# KiCad board project.kicad_pcb
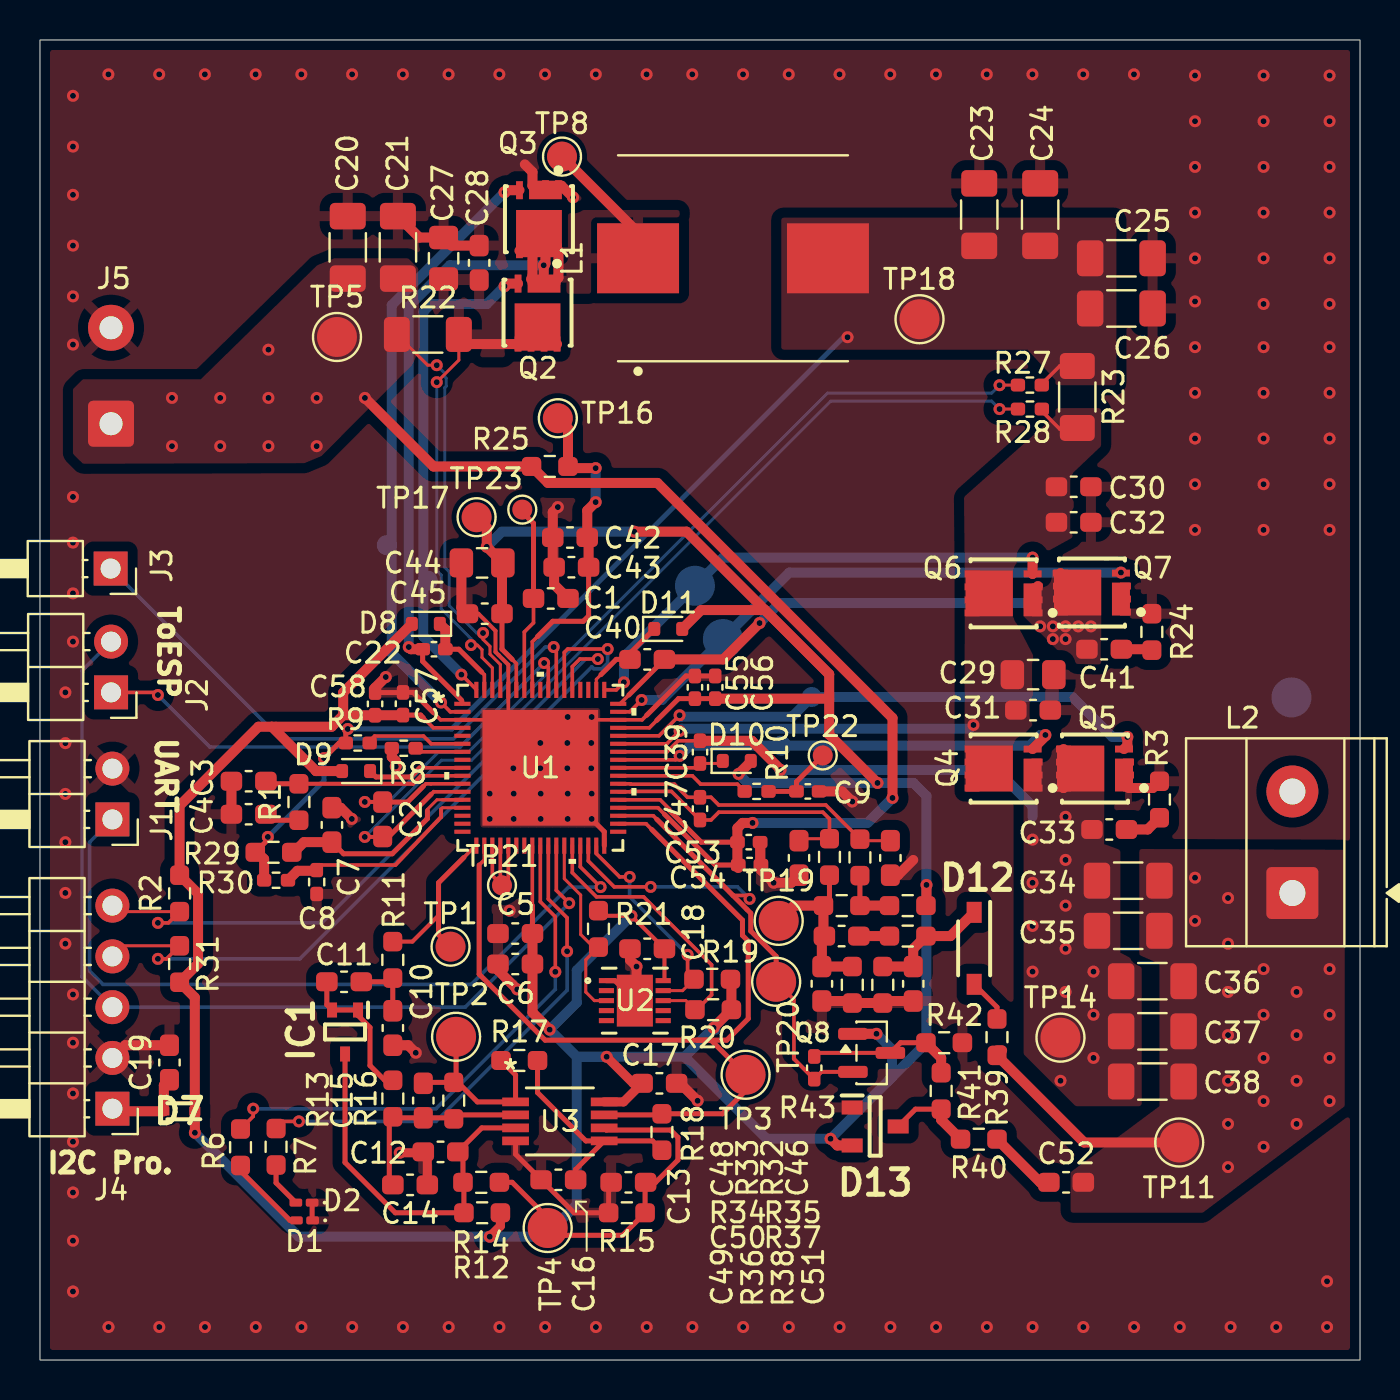
[diagram p0: board, top side]
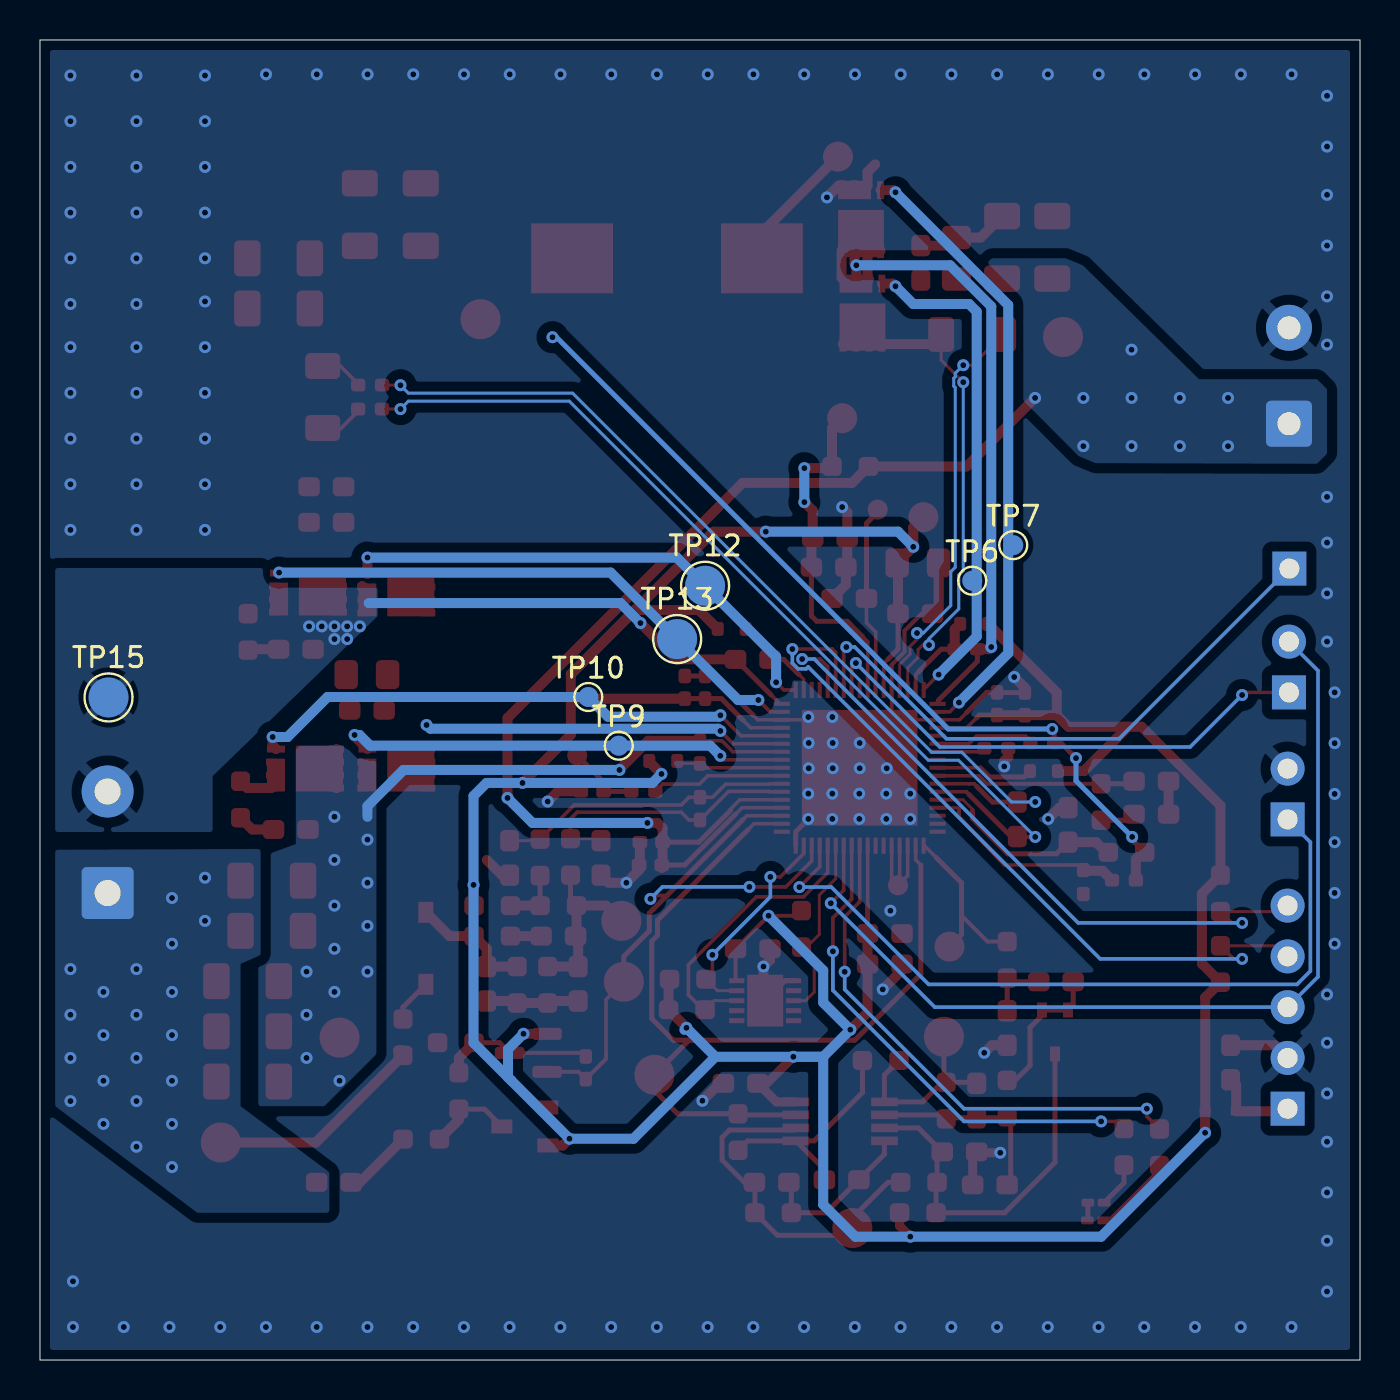
[diagram p1: board, bottom side, seen from below]

Outline 66.04 x 66.04 mm; copper layers: Top, Bottom. Coordinates in mm from the lower left corner of the outline.
Outline path: rectangle 0,66.04 66.04,0
Stack: Top 0.035mm / dielectric 1.51mm FR4 er 4.5 / Bottom 0.035mm

## Placement (name value [footprint] x y rotation side)
C1  0.1u  [C_0603_1608Metric_Pad1.08x0.95mm_HandSolder]  25.55 38.1 0 top
C2  2.2u  [C_0603_1608Metric_Pad1.08x0.95mm_HandSolder]  17.14 27.05 270 top
C3  1n  [C_0603_1608Metric_Pad1.08x0.95mm_HandSolder]  10.44 28.96 0 top
C4  0.47u  [C_0603_1608Metric_Pad1.08x0.95mm_HandSolder]  10.44 27.31 0 top
C5  0.1u  [C_0603_1608Metric_Pad1.08x0.95mm_HandSolder]  23.78 21.34 0 top
C6  1u  [C_0603_1608Metric_Pad1.08x0.95mm_HandSolder]  23.78 19.81 0 top
C7  0.1u  [C_0603_1608Metric_Pad1.08x0.95mm_HandSolder]  14.6 26.77 270 top
C8  0.1u  [R_0402_1005Metric_Pad0.72x0.64mm_HandSolder]  13.84 23.91 90 top
C9  10p  [C_0402_1005Metric_Pad0.74x0.62mm_HandSolder]  38.41 28.45 0 top  (not fitted)
C10  22nf  [C_0603_1608Metric_Pad1.08x0.95mm_HandSolder]  17.65 16.61 270 top
C11  0.22uf  [C_0603_1608Metric_Pad1.08x0.95mm_HandSolder]  15.21 18.92 180 top
C12  22n  [C_0603_1608Metric_Pad1.08x0.95mm_HandSolder]  20.04 10.41 180 top
C13  0.1u  [C_0603_1608Metric_Pad1.08x0.95mm_HandSolder]  29.44 8.89 180 top
C14  330p  [C_0603_1608Metric_Pad1.08x0.95mm_HandSolder]  18.52 8.76 180 top  (not fitted)
C15  150p  [C_0603_1608Metric_Pad1.08x0.95mm_HandSolder]  19.18 12.98 90 top
C16  10n  [C_0603_1608Metric_Pad1.08x0.95mm_HandSolder]  25.93 9.02 0 top  (not fitted)
C17  0.1u  [C_0603_1608Metric_Pad1.08x0.95mm_HandSolder]  30.99 13.84 0 top
C18  1u  [C_0603_1608Metric_Pad1.08x0.95mm_HandSolder]  30.38 20.57 0 top
C19  0.1u  [C_0603_1608Metric_Pad1.08x0.95mm_HandSolder]  6.48 14.89 90 top
C20  22u  [C_1206_3216Metric_Pad1.33x1.80mm_HandSolder]  15.4 55.66 90 top
C21  22u  [C_1206_3216Metric_Pad1.33x1.80mm_HandSolder]  17.91 55.66 90 top
C22  0.1u  [C_0402_1005Metric_Pad0.74x0.62mm_HandSolder]  19.71 35.56 0 top
C23  22u  [C_1206_3216Metric_Pad1.33x1.80mm_HandSolder]  46.99 57.3 90 top
C24  22u  [C_1206_3216Metric_Pad1.33x1.80mm_HandSolder]  50.04 57.3 90 top
C25  22u  [C_1206_3216Metric_Pad1.33x1.80mm_HandSolder]  54.1 55.12 0 top
C26  22u  [C_1206_3216Metric_Pad1.33x1.80mm_HandSolder]  54.1 52.61 0 top
C27  4.7u  [C_0805_2012Metric_Pad1.18x1.45mm_HandSolder]  20.19 55.12 90 top
C28  10n  [C_0603_1608Metric_Pad1.08x0.95mm_HandSolder]  21.97 54.89 90 top
C29  22u  [C_0805_2012Metric_Pad1.18x1.45mm_HandSolder]  49.68 34.29 0 top
C30  22u  [C_0603_1608Metric_Pad1.08x0.95mm_HandSolder]  51.72 43.69 0 top
C31  0.1u  [C_0603_1608Metric_Pad1.08x0.95mm_HandSolder]  49.68 32.51 0 top
C32  0.1u  [C_0603_1608Metric_Pad1.08x0.95mm_HandSolder]  51.72 41.91 0 top
C33  10n  [C_0603_1608Metric_Pad1.08x0.95mm_HandSolder]  53.49 26.54 0 top
C34  0.1u  [C_1206_3216Metric_Pad1.33x1.80mm_HandSolder]  54.44 23.98 0 top
C35  0.1u  [C_1206_3216Metric_Pad1.33x1.80mm_HandSolder]  54.44 21.47 0 top
C36  0.1u  [C_1206_3216Metric_Pad1.33x1.80mm_HandSolder]  55.65 18.95 0 top
C37  0.1u  [C_1206_3216Metric_Pad1.33x1.80mm_HandSolder]  55.65 16.44 0 top
C38  0.1u  [C_1206_3216Metric_Pad1.33x1.80mm_HandSolder]  55.65 13.93 0 top
C39  0.1u  [C_0402_1005Metric_Pad0.74x0.62mm_HandSolder]  33.02 30.41 90 top
C40  0.1u  [C_0603_1608Metric_Pad1.08x0.95mm_HandSolder]  30.38 35.05 0 top
C41  10n  [C_0603_1608Metric_Pad1.08x0.95mm_HandSolder]  53.24 35.56 0 top
C42  1u  [C_0603_1608Metric_Pad1.08x0.95mm_HandSolder]  26.52 41.15 0 top
C43  0.1u  [C_0603_1608Metric_Pad1.08x0.95mm_HandSolder]  26.58 39.66 0 top
C44  1u  [C_0805_2012Metric_Pad1.18x1.45mm_HandSolder]  22.12 39.88 0 top
C45  0.1u  [C_0603_1608Metric_Pad1.08x0.95mm_HandSolder]  22.25 37.34 0 top
C46  10n  [C_0603_1608Metric_Pad1.08x0.95mm_HandSolder]  42.54 25.12 270 top
C47  470n  [C_0402_1005Metric_Pad0.74x0.62mm_HandSolder]  33.02 27.59 90 top
C48  10n  [C_0603_1608Metric_Pad1.08x0.95mm_HandSolder]  37.97 25.12 270 top
C49  0.1u  [C_0603_1608Metric_Pad1.08x0.95mm_HandSolder]  39.12 18.82 90 top  (not fitted)
C50  100n  [C_0603_1608Metric_Pad1.08x0.95mm_HandSolder]  40.11 21.21 180 top
C51  5.6n  [C_0603_1608Metric_Pad1.08x0.95mm_HandSolder]  43.69 18.82 90 top
C52  1n  [C_0603_1608Metric_Pad1.08x0.95mm_HandSolder]  51.33 8.89 0 top
C53  0.1u  [C_0402_1005Metric_Pad0.74x0.62mm_HandSolder]  35.46 25.91 0 top
C54  0.1u  [C_0402_1005Metric_Pad0.74x0.62mm_HandSolder]  35.5 24.77 0 top
C55  0.1u  [C_0402_1005Metric_Pad0.74x0.62mm_HandSolder]  32.77 33.66 270 top
C56  1u  [C_0402_1005Metric_Pad0.74x0.62mm_HandSolder]  33.78 33.66 270 top
C57  0.1u  [C_0402_1005Metric_Pad0.74x0.62mm_HandSolder]  18.16 32.83 270 top
C58  1u  [C_0402_1005Metric_Pad0.74x0.62mm_HandSolder]  16.76 32.83 270 top
D1  LED  [LED_0201_0603Metric_Pad0.64x0.40mm_HandSolder]  13.23 6.98 180 top
D2  LED  [LED_0201_0603Metric_Pad0.64x0.40mm_HandSolder]  13.21 7.87 180 top
D7  BAT64T5Q-7-F  [SODFL1608X65N]  6.97 12.45 180 top
D8  RB511SM-40FHT2R  [D_SOD-523]  19.3 36.83 180 top
D9  RB511SM-40FHT2R  [D_SOD-523]  15.81 29.46 180 top
D10  RB511SM-40FHT2R  [D_SOD-523]  34.86 29.97 0 top
D11  RB511SM-40FHT2R  [D_SOD-523]  31.43 36.58 0 top
D12  1N4448W-TP  [SOD3716X135N]  46.74 20.6 270 top
D13  MMBD1503A  [SOT95P240X120-3N]  41.78 11.68 0 top
IC1  BAT5404WH6327XTSA1  [SOT65P210X100-3N]  15.26 16.41 270 top
J1  Conn_01x02_Pin  [PinHeader_1x02_P2.54mm_Horizontal]  3.62 27.05 180 top
J2  Conn_01x02_Pin  [PinHeader_1x02_P2.54mm_Horizontal]  3.56 33.4 180 top
J3  Conn_01x01_Pin  [PinHeader_1x01_P2.54mm_Horizontal]  3.53 39.6 180 top
J4  Conn_01x05_Socket  [PinHeader_1x05_P2.54mm_Horizontal]  3.62 12.57 180 top
J5  Conn_01x02  [SolderWire-0.5sqmm_1x02_P4.8mm_D0.9mm_OD2.3mm]  3.55 46.84 90 top
L1  PA4342.682NLT  [Yageo_Pulse_PA4342_10.3x11.5mm]  34.67 55.12 90 top
L2  MP-A11  [TerminalBlock_Phoenix_MKDS-1,5-2-5.08_1x02_P5.08mm_Horizontal]  62.66 23.36 90 top
Q2  BSZ0902NS  [IFX-PG-TSDSON-8-26-V]  24.89 52.45 270 top
Q3  BSZ0902NS  [IFX-PG-TSDSON-8-26-V]  24.96 57.12 270 top
Q4  BSZ0902NS  [IFX-PG-TSDSON-8-26-V]  48.26 29.59 180 top
Q5  BSZ0902NS  [IFX-PG-TSDSON-8-26-V]  52.83 29.59 180 top
Q6  BSZ0902NS  [IFX-PG-TSDSON-8-26-V]  48.26 38.35 180 top
Q7  BSZ0902NS  [IFX-PG-TSDSON-8-26-V]  52.68 38.4 180 top
Q8  BSS138N  [SOT-23]  41.61 15.37 0 top
R1  1k  [R_0603_1608Metric_Pad0.98x0.95mm_HandSolder]  12.95 27.92 90 top
R2  5.1k  [R_0603_1608Metric_Pad0.98x0.95mm_HandSolder]  6.98 23.34 90 top
R3  0  [R_0603_1608Metric_Pad0.98x0.95mm_HandSolder]  56.01 28.04 90 top
R6  1k  [R_0603_1608Metric_Pad0.98x0.95mm_HandSolder]  10.03 10.64 90 top
R7  1k  [R_0603_1608Metric_Pad0.98x0.95mm_HandSolder]  11.81 10.67 90 top
R8  0  [R_0402_1005Metric_Pad0.72x0.64mm_HandSolder]  18.2 30.61 0 top
R9  0  [R_0402_1005Metric_Pad0.72x0.64mm_HandSolder]  15.9 30.87 180 top
R10  0  [R_0402_1005Metric_Pad0.72x0.64mm_HandSolder]  35.85 28.45 0 top
R11  1k  [R_0603_1608Metric_Pad0.98x0.95mm_HandSolder]  17.65 20.02 270 top
R12  27k  [R_0603_1608Metric_Pad0.98x0.95mm_HandSolder]  22.12 7.37 180 top
R13  5.1k  [R_0603_1608Metric_Pad0.98x0.95mm_HandSolder]  17.65 13.08 270 top
R14  390  [R_0603_1608Metric_Pad0.98x0.95mm_HandSolder]  22.07 8.89 0 top
R15  10k  [R_0603_1608Metric_Pad0.98x0.95mm_HandSolder]  29.36 7.37 180 top
R16  100k  [R_0603_1608Metric_Pad0.98x0.95mm_HandSolder]  20.7 12.98 90 top
R17  0  [R_0603_1608Metric_Pad0.98x0.95mm_HandSolder]  23.98 14.99 0 top
R18  1M  [R_0603_1608Metric_Pad0.98x0.95mm_HandSolder]  31.12 11.41 90 top  (not fitted)
R19  10k  [R_0603_1608Metric_Pad0.98x0.95mm_HandSolder]  33.63 19.05 180 top  (not fitted)
R20  5.1k  [R_0603_1608Metric_Pad0.98x0.95mm_HandSolder]  33.68 17.53 180 top
R21  5.1k  [R_0603_1608Metric_Pad0.98x0.95mm_HandSolder]  27.94 21.57 270 top
R22  0.005  [R_1206_3216Metric_Pad1.30x1.75mm_HandSolder]  19.41 51.31 0 top
R23  0.01  [R_1206_3216Metric_Pad1.30x1.75mm_HandSolder]  51.89 48.18 270 top
R24  0  [R_0603_1608Metric_Pad0.98x0.95mm_HandSolder]  55.63 36.43 90 top
R25  0  [R_0603_1608Metric_Pad0.98x0.95mm_HandSolder]  25.5 44.7 0 top
R27  10  [R_0402_1005Metric_Pad0.72x0.64mm_HandSolder]  49.52 48.77 180 top
R28  10  [R_0402_1005Metric_Pad0.72x0.64mm_HandSolder]  49.53 47.58 180 top
R29  0  [R_0603_1608Metric_Pad0.98x0.95mm_HandSolder]  11.68 25.4 0 top
R30  0  [R_0402_1005Metric_Pad0.72x0.64mm_HandSolder]  11.81 24 0 top
R31  5.1k  [R_0603_1608Metric_Pad0.98x0.95mm_HandSolder]  6.98 19.81 270 top
R32  10  [R_0603_1608Metric_Pad0.98x0.95mm_HandSolder]  41.02 25.15 270 top
R33  10  [R_0603_1608Metric_Pad0.98x0.95mm_HandSolder]  39.5 25.17 270 top
R34  62  [R_0603_1608Metric_Pad0.98x0.95mm_HandSolder]  40.11 22.73 0 top
R35  2.2k  [R_0603_1608Metric_Pad0.98x0.95mm_HandSolder]  43.41 22.73 0 top
R36  130k  [R_0603_1608Metric_Pad0.98x0.95mm_HandSolder]  40.64 18.77 90 top
R37  0  [R_0603_1608Metric_Pad0.98x0.95mm_HandSolder]  43.41 21.21 0 top
R38  100k  [R_0603_1608Metric_Pad0.98x0.95mm_HandSolder]  42.16 18.77 90 top
R39  5.1k  [R_0603_1608Metric_Pad0.98x0.95mm_HandSolder]  47.88 16.15 270 top
R40  36k  [R_0603_1608Metric_Pad0.98x0.95mm_HandSolder]  46.97 11.05 180 top
R41  3.6k  [R_0603_1608Metric_Pad0.98x0.95mm_HandSolder]  45.09 13.46 90 top
R42  20k  [R_0603_1608Metric_Pad0.98x0.95mm_HandSolder]  45.24 15.88 0 top
R43  0  [C_0402_1005Metric_Pad0.74x0.62mm_HandSolder]  38.73 14.62 270 top
TP1  ASK_OUT  [TestPoint_Pad_D1.5mm]  20.54 20.68 0 top
TP2  OPAMP_GAIN  [TestPoint_Pad_D2.0mm]  20.82 16.17 0 top
TP3  OPAMP_CMP  [TestPoint_Pad_D2.0mm]  35.3 14.27 0 top
TP4  CMP_REF  [TestPoint_Pad_D2.0mm]  25.4 6.6 0 top
TP5  PVIN_0  [TestPoint_Pad_D2.0mm]  14.86 51.18 0 top
TP6  HG1_0  [TestPoint_Pad_D1.0mm]  19.4 38.99 180 bottom
TP7  LG1_0  [TestPoint_Pad_D1.0mm]  17.35 40.77 180 bottom
TP8  SW1_0  [TestPoint_Pad_D1.5mm]  26.12 60.21 0 top
TP9  HG2_1  [TestPoint_Pad_D1.0mm]  37.08 30.73 180 bottom
TP10  LG2_1  [TestPoint_Pad_D1.0mm]  38.61 33.17 180 bottom
TP11  COIL_SNS  [TestPoint_Pad_D2.0mm]  56.99 10.88 0 top
TP12  HG1_1  [TestPoint_Pad_D2.0mm]  32.77 38.73 180 bottom
TP13  LG1_1  [TestPoint_Pad_D2.0mm]  34.16 36.07 180 bottom
TP14  SW2_1  [TestPoint_Pad_D2.0mm]  51.05 16.13 0 top
TP15  SW1_1  [TestPoint_Pad_D2.0mm]  62.61 33.15 180 bottom
TP16  Vin  [TestPoint_Pad_D1.5mm]  25.91 47.12 0 top
TP17  VDDD  [TestPoint_Pad_D1.5mm]  21.84 42.16 0 top
TP18  VBRG_0  [TestPoint_Pad_D2.0mm]  44 52.07 0 top
TP19  V2I_IP  [TestPoint_Pad_D2.0mm]  36.96 21.97 0 top
TP20  Q_COMP  [TestPoint_Pad_D2.0mm]  36.83 18.92 0 top
TP21  PWN_OUT  [TestPoint_Pad_D1.0mm]  23.11 23.75 0 top
TP22  ASK_TST  [TestPoint_Pad_D1.0mm]  39.16 30.24 0 top
TP23  VCCD  [TestPoint_Pad_D1.0mm]  24.13 42.55 0 top
U1  WLC1115-68LQXQ  [PG-VQFN-68]  25.03 29.63 0 top
U2  SLS32AIA020U2USON10XTMA1  [PG-USON-10-2]  29.76 17.98 0 top
U3  LMV358AQDGKRQ1  [DGK8_TEX]  26.01 11.94 0 top

## Library data of the parts
C1-C58 = -: Description: Unpolarized capacitor; KiLib_Generator: SMD_2terminal_chip_molded; ki_fp_filters: C_*
D1 D2 = -: Description: Light emitting diode; KiLib_Generator: SMD_2terminal_chip_molded; Sim.Pins: 1=K 2=A; ki_fp_filters: LED* LED_SMD:* LED_THT:*
D7 = -: Datasheet: https://www.diodes.com/assets/Datasheets/BAT64T5Q.pdf; Description: Surface Mount Diode Schottky; Height: 0.65; Manufacturer_Name: Diodes Incorporated; Mouser Part Number: 621-BAT64T5Q-7-F; Mouser Price/Stock: https://www.mouser.co.uk/ProductDetail/Diodes-Incorporated/BAT64T5Q-7-F?qs=OTrKUuiFdkYz3CT6Rf7iGg%3D%3D; Arrow Price/Stock: https://www.arrow.com/en/products/bat64t5q-7-f/diodes-incorporated?utm_currency=USD&region=europe
D8-D11 = -: Datasheet: https://componentsearchengine.com/Datasheets/2/RB511SM-40FHT2R.pdf; Description: ROHM - RB511SM-40FHT2R - Schottky Rectifier, 40 V, 100 mA, Single, SOD-523, 2 Pins, 410 mV; Height: 0.7; Manufacturer_Name: ROHM Semiconductor; Mouser Part Number: 755-RB511SM-40FHT2R; Mouser Price/Stock: https://www.mouser.co.uk/ProductDetail/ROHM-Semiconductor/RB511SM-40FHT2R?qs=4v%252BiZTmLVHERBXtjsaC%252BFg%3D%3D
D12 = -: Datasheet: https://mccsemi.com/pdf/Products/1N4448W(SOD-123).pdf; Description: 500mW,100V Switching Diode; Height: 1.35; Manufacturer_Name: MCC; Mouser Part Number: 833-1N4448W-TP; Mouser Price/Stock: https://www.mouser.co.uk/ProductDetail/Micro-Commercial-Components-MCC/1N4448W-TP?qs=KFo7JewZbUFALNIoK2AHyA%3D%3D; Arrow Price/Stock: https://www.arrow.com/en/products/1n4448w-tp/micro-commercial-components?utm_currency=USD&region=europe
D13 = -: Datasheet: https://www.onsemi.com/pub/Collateral/MMBD1501-D.PDF; Description: High Conductance Low Leakage Diode; Height: 1.2; Manufacturer_Name: onsemi; Mouser Part Number: 512-MMBD1503A; Mouser Price/Stock: https://www.mouser.co.uk/ProductDetail/onsemi-Fairchild/MMBD1503A?qs=7oZ3HZRjbRmGCcKCTuDPOA%3D%3D; Arrow Price/Stock: https://www.arrow.com/en/products/mmbd1503a/on-semiconductor?utm_currency=USD&region=europe
IC1 = -: Datasheet: https://www.infineon.com/dgdl/Infineon-BAT54SERIES-DS-v01_01-en.pdf?fileId=db3a304314dca3890115190b74210ea6; Description: Diode Schottky Si 0.2A Automotive 3-Pin SOT-323 T/R; Height: 1; Manufacturer_Name: Infineon; Mouser Part Number: N/A; Mouser Price/Stock: https://www.mouser.co.uk/ProductDetail/Infineon-Technologies/BAT5404WH6327XTSA1?qs=K00xGehIljvYT9P6%252BnkRKQ%3D%3D; Arrow Price/Stock: https://www.arrow.com/en/products/bat5404wh6327xtsa1/infineon-technologies-ag?region=europe
J1 J2 = -: Description: Generic connector, single row, 01x02, script generated; KiLib_Generator: connector/pin_header_socket; ki_fp_filters: Connector*:*_1x??_*
J3 = -: Description: Generic connector, single row, 01x01, script generated; KiLib_Generator: connector/pin_header_socket; ki_fp_filters: Connector*:*_1x??_*
J4 = -: Description: Generic connector, single row, 01x05, script generated; KiLib_Generator: connector/pin_header_socket; ki_fp_filters: Connector*:*_1x??_*
J5 = -: Description: Generic connector, single row, 01x02, script generated (kicad-library-utils/schlib/autogen/connector/); KiLib_Generator: connector/wire; ki_fp_filters: Connector*:*_1x??_*
L1 = -: Datasheet: https://yageogroup.com/content/datasheet/asset/file/DATASHEET_P769; Description: High current molded shielded SMT power inductor, 6.8 uH, 8.5 A rated current; Manufacturer: YAGEO Group / Pulse Electronics; Package: Yageo_Pulse_PA4342_10.3x11.5mm
L2 = -: Description: Inductor; KiLib_Generator: terminal_block/Phoenix; ki_fp_filters: Choke_* *Coil* Inductor_* L_*
Q2-Q7 = -: Description: Insulated-Gate Field-Effect Transistor (IGFET), N-Channel, Enhancement, Body Diode, Pin 1 Source, 2 Source, 3 Source, 4 Gate, 5 Drain, 6 Drain, 7 Drain, 8 Drain, 8 Pins; PackageReference: PG-TSDSON-8-26; Manufacturer: Infineon Technologies
Q8 = -: Datasheet: https://www.onsemi.com/pub/Collateral/BSS138-D.PDF; Description: 50V Vds, 0.22A Id, N-Channel MOSFET, SOT-23; KiLib_Generator: package/gullwing; ki_fp_filters: SOT?23*
R1-R3 R6-R25 R27-R43 = -: Description: Resistor; KiLib_Generator: SMD_2terminal_chip_molded; ki_fp_filters: R_*
TP1-TP23 = -: Description: test point (alternative probe-style design); ki_fp_filters: Pin* Test*
U1 = -: ki_fp_filters: PG-VQFN-68 PG-VQFN-68-M PG-VQFN-68-L
U2 = -: ki_fp_filters: PG-USON-10-2 PG-USON-10-2-M PG-USON-10-2-L
U3 = -: Datasheet: https://www.ti.com/lit/gpn/lmv358a-q1; ki_fp_filters: DGK8_TEX DGK8_TEX-M DGK8_TEX-L
